# Altium PCB PCB.PcbDoc (part 2 of 2)
Units mil, origin at the board's own origin, x right, y up, seen from the top; angles counter-clockwise.
Board outline 4724.62 x 3937.2 mil, 2 copper layers (Top Layer, Bottom Layer); 163 components, 141 nets, 550 pads, 397 vias.
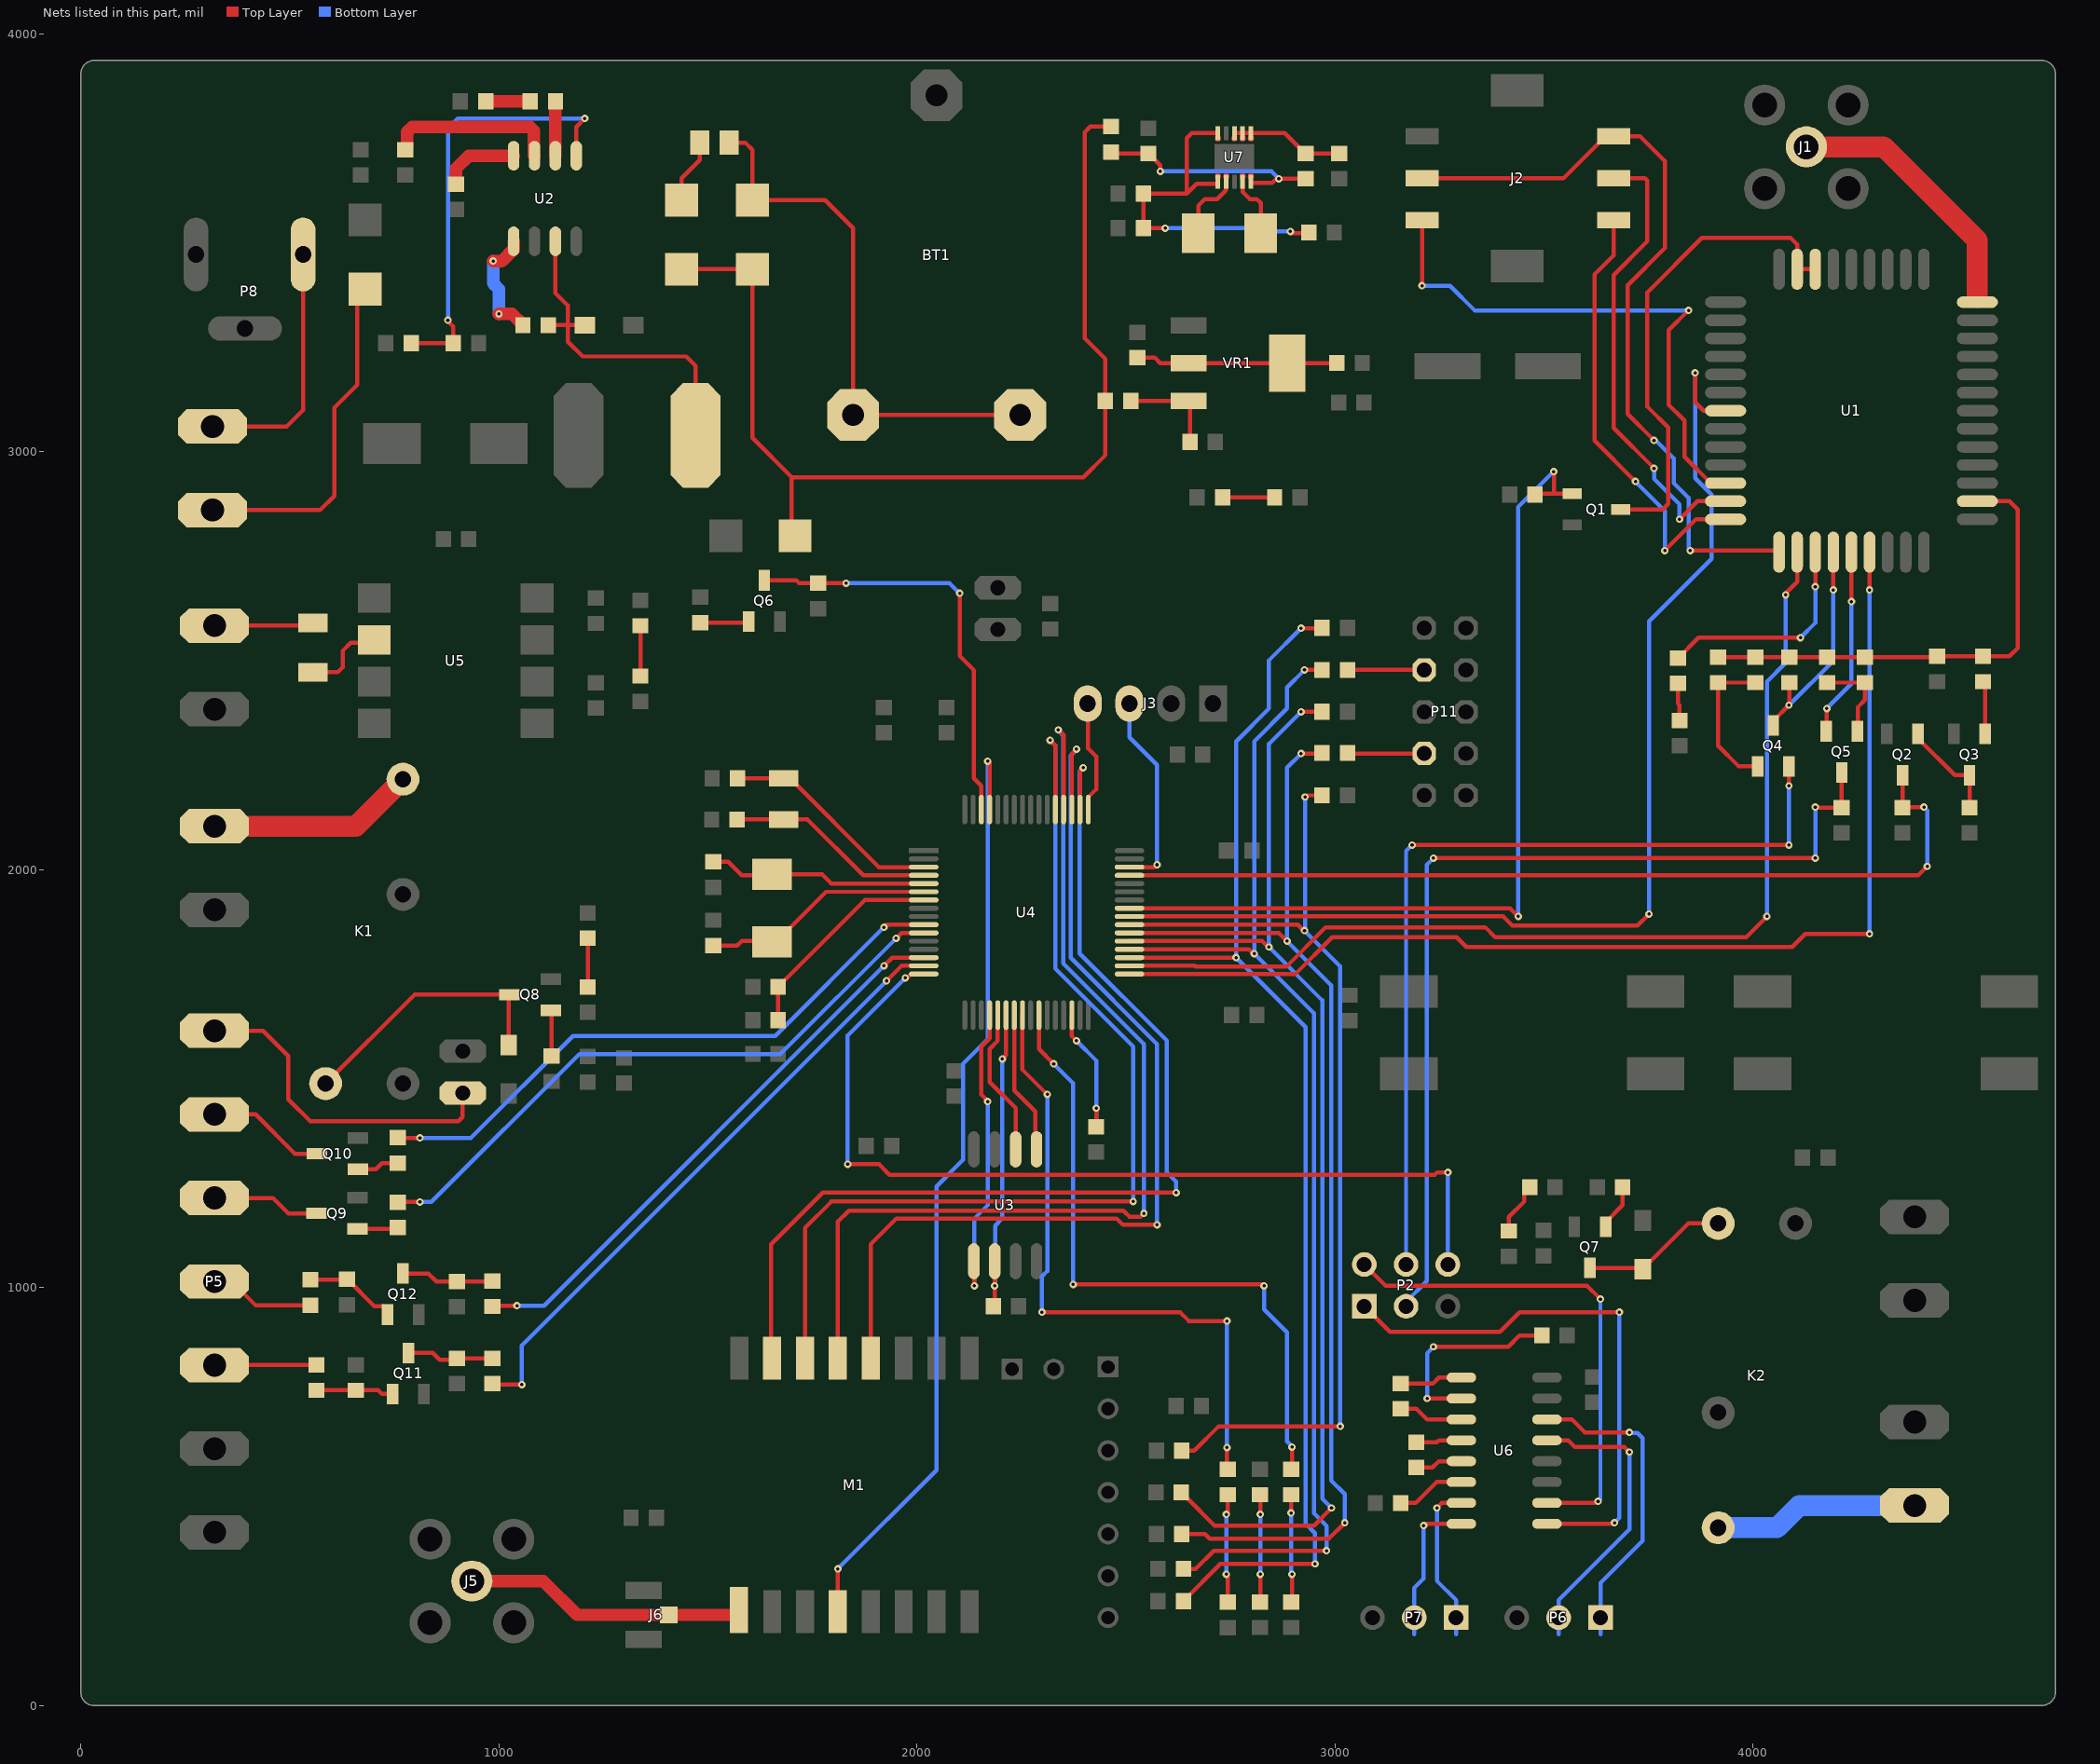
[diagram p2: the nets of this part, all layers, seen from the top]

## Via types
v1: diameter 17.72, hole 7.87, Top Layer to Bottom Layer, 397 vias

## Nets (pads, with @x,y where several pads share a name; then routed paths per layer and width w, separated by ;. In a path a pad name is that pad's centre, name@x,y a point inside that pad or via, vN(x,y) a via of type N, cw(c..) or ccw(c..) an arc to the next point about the centre after c; other vN are vias at no path point) (continued)
MCU_NB_TXD: P2.6 U4.16 | length 2220.1
  Top Layer w10: v1(1834.65,1295.28) 1909.45,1295.28 1929.13,1275.59 1929.13,1275.25 1934.41,1269.97 3238.71,1269.97 3244.33,1275.59 v1(3270.55,1275.59) ; v1(1972.44,1740.92) 1973.92,1742.4 1978.62,1742.4 1986.52,1750.3 U4.16@2016.54,1750.3
  Bottom Layer w10: v1(1834.65,1295.28) 1834.65,1603.13 v1(1972.44,1740.92) ; P2.6@3270.55,1055.12 v1(3270.55,1275.59)
NB_DTR: U1.19 U4.33 | length 2744.1
  Top Layer w10: U4.33@2508.66,1750.3 2659.41,1750.3 2659.9,1749.81 2905.02,1749.81 2993.8,1838.58 3291.34,1838.58 3314.96,1814.96 4094.41,1814.96 4125.91,1846.46 v1(4279.53,1846.46) ; v1(4279.53,2669.29) U1.19@4279.53,2759.84
  Bottom Layer w10: v1(4279.53,1846.46) v1(4279.53,2669.29)
NB_ON/OFF: U1.7 U4.40 | length 2778.8
  Top Layer w10: U4.40@2508.66,1888.09 3402.9,1888.09 3424.76,1866.24 3724.5,1866.24 v1(3751.97,1893.7) ; v1(3862.2,3188.98) 3862.2,3119.05 3882.83,3098.43 U1.7@3925.2,3098.43
  Bottom Layer w10: v1(3751.97,1893.7) 3751.97,2594.49 3901.57,2744.09 3901.57,2897.64 3862.2,2937.01 v1(3862.2,3188.98)
NB_POWER: Q1.1 R4.1 U4.41 | length 2181.3
  Top Layer w10: U4.41@2508.66,1907.78 3419.29,1907.78 v1(3438.98,1888.09) ; R4.1@3479.13,2897.64 3481.1,2899.61 3524.51,2899.61 ; v1(3523.62,2952.76) 3524.51,2951.87 3524.51,2899.61 ; Q1.1@3567.91,2899.61 3524.51,2899.61
  Bottom Layer w10: v1(3438.98,1888.09) 3438.98,2868.11 v1(3523.62,2952.76)
NB_PWR: Q2.3 R1.1 U4.45 | length 2192.1
  Top Layer w10: U4.45@2508.66,1986.52 4395.97,1986.52 v1(4417.32,2007.87) ; Q2.3@4358.27,2226.38 R1.1@4358.27,2148.43 4359.45,2149.61 v1(4409.45,2149.61)
  Bottom Layer w10: v1(4409.45,2149.61) 4417.32,2141.73 v1(4417.32,2007.87)
NB_R: P2.4 Q4.2 | length 2099.7
  Top Layer w10: v1(3185.04,2059.06) v1(4086.61,2059.06) ; v1(4086.54,2200.79) 4086.61,2200.87 Q4.2@4086.61,2247.2
  Bottom Layer w10: P2.4@3170.55,1055.12 3170.55,2044.57 v1(3185.04,2059.06) ; v1(4086.54,2200.79) 4086.61,2200.71 v1(4086.61,2059.06)
NB_Reset: U1.15 U4.34 | length 2497.5
  Top Layer w10: U4.34@2508.83,1769.81 U4.34@2508.66,1769.98 2665.18,1769.98 2667.36,1767.81 2883.83,1767.81 2978.22,1862.2 3359.94,1862.2 3383.56,1838.58 3984.41,1838.58 v1(4033.92,1888.09) ; v1(4078.74,2657.48) 4078.74,2661.42 4106.3,2688.98 U1.15@4106.3,2759.84
  Bottom Layer w10: v1(4033.92,1888.09) 4033.92,2450.2 4078.74,2495.02 v1(4078.74,2657.48)
NB_RX_DB: P7.2 U6.8 | length 361.1
  Top Layer w10: v1(3212.6,430.31) 3214.69,430.31 3218.82,434.45 U6.8@3302.87,434.45
  Bottom Layer w10: 3190.24,170.51 3190.24,281.06 3212.6,303.43 v1(3212.6,430.31)
NB_RXD: Q4.3 R11.1 U1.17 | length 526.3
  Top Layer w10: Q4.3@4049.21,2345.63 4049.21,2356.46 v1@4086.54,2393.78 ; v1@4087.99,2395.24 R11.1@4087.99,2447.8 ; v1(4192.91,2669.29) U1.17@4192.91,2759.84
  Bottom Layer w10: v1(4086.61,2393.7) 4192.91,2500 v1(4192.91,2669.29)
NB_T: P2.3 Q5.3 R12.2 | length 2282.8
  Top Layer w10: v1(3236.22,2027.56) v1(4149.61,2027.56) ; v1(4149.61,2149.61) 4150.35,2148.86 4213.03,2148.86 Q5.3@4213.03,2232.83
  Bottom Layer w10: P2.3@3170.55,955.12 3170.55,965.83 3220.47,1015.75 3220.47,2011.81 v1(3236.22,2027.56) ; v1(4149.61,2027.56) v1(4149.61,2149.61)
NB_TX_DB: P7.1 U6.7 | length 384.5
  Top Layer w10: v1(3244.33,472.44) 3256.34,484.45 U6.7@3302.87,484.45
  Bottom Layer w10: v1(3244.33,472.44) 3244.33,297.99 3290.24,252.09 3290.24,170.51
NB_TXD: Q5.2 U1.18 | length 453.7
  Top Layer w10: Q5.2@4175.63,2331.26 4176.4,2332.03 4176.4,2385.06 v1(4177.17,2385.83) ; v1(4236.22,2641.73) U1.18@4236.22,2759.84
  Bottom Layer w10: v1(4177.17,2385.83) 4236.22,2444.88 v1(4236.22,2641.73)
NetBT1_1: BT1.1 D6.1 R19.2 | length 1310.4
  Top Layer w10: R19.2@1558.66,3732.28 R19.2@1550.79,3740.16 1589.37,3740.16 1606.3,3723.23 D6.1@1606.3,3602.36 1780.31,3602.36 1847.24,3535.43 BT1.1@1847.24,3088.19 BT1.1@2247.24,3088.19
NetC2_2: C2.2 R22.2 VR1.3 | length 237.9
  Top Layer w10: R22.2@2511.81,3121.69 VR1.3@2650.2,3121.69 2653.74,3118.15 C2.2@2653.74,3023.62
NetC5_1: C5.1 R6.2 R16.2 U7.5 | length 568.1
  Top Layer w10: R6.2@2464.57,3717.72 2468.5,3713.78 C5.1@2553.94,3713.78 2554.92,3713.78 2582.68,3686.02 v1(2582.68,3671.26) ; U7.5@2799.21,3646.65 2799.21,3644.17 2799.69,3643.7 2850.39,3643.7 v1@2860.04,3653.35 ; v1@2866.14,3653.35 R16.2@2929.91,3653.35
  Bottom Layer w10: v1(2582.68,3671.26) 2848.43,3671.26 v1(2866.14,3653.54)
NetC6_2: C6.2 R25.1 VR1.2 | length 483.2
  Top Layer w10: C6.2@2527.56,3225.59 2569.33,3225.59 2582.68,3212.24 VR1.2@2650.2,3212.24 VR1.2@2886.42,3212.24 3004.76,3212.24 R25.1@3005.12,3212.6
NetC7_2: C7.2 U2.8 | length 188
  Top Layer w30: C7.2@897.64,3640.55 897.64,3678.35 927.95,3708.66 U2.8@1035.24,3708.66
NetC8_1: C8.1 D2.2 L1.1 U2.3 | length 836.1
  Top Layer w10: C8.1@1118.11,3303.15 1165.35,3303.15 ; U2.3@1135.24,3503.94 1135.24,3380.12 1165.35,3350 1165.35,3303.15 ; D2.2@1205.71,3303.15 1165.35,3303.15 ; L1.1@1470.71,3039.37 1470.71,3205.91 1448.27,3228.35 1200.79,3228.35 1165.35,3263.78 1165.35,3303.15
NetC8_2: C8.2 U2.1 | length 284.6
  Top Layer w10: U2.1@1032.97,3501.67 U2.1@1035.24,3503.94
  Top Layer w30: v1(986.22,3456.69) 1007.2,3456.69 1035.24,3484.72 U2.1@1035.24,3503.94 ; v1(1000,3330.02) 1031.6,3330.02 1057.48,3304.13 C8.2@1057.48,3303.15
  Bottom Layer w30: v1(986.22,3456.69) 986.22,3403.54 1000,3389.76 v1(1000,3330.02)
NetC9_1: C9.1 R5.1 | length 106.5
  Top Layer w30: R5.1@968.5,3838.58 C9.1@1074.96,3838.58
NetC9_2: C9.2 U2.6 | length 130.1
  Top Layer w30: U2.6@1135.24,3708.66 1135.41,3708.84 1135.41,3838.41 C9.2@1135.59,3838.58
NetC12_1: C12.1 Q4.1 R10.1 | length 378.7
  Top Layer w10: Q4.1@4003.03,2266.81 4011.81,2258.03 Q4.1@4011.81,2247.2 3966.57,2247.2 3917.32,2296.46 C12.1@3917.32,2447.8 R10.1@4006.54,2447.8
NetC14_2: C14.2 Q5.1 R14.2 | length 214.3
  Top Layer w10: R14.2@4178.24,2447.8 C14.2@4268.54,2447.8 4268.54,2406.34 4251.97,2389.76 4251.97,2332.8 Q5.1@4250.43,2331.26
NetC18_2: C18.2 U4.5 Y1.1 | length 526.7
  Top Layer w10: C18.2@1512.99,2018.8 1548.43,2018.8 1580.71,1986.52 1651.19,1986.52 Y1.1@1653.16,1988.49 1773.92,1988.49 1795.57,1966.83 U4.5@2016.54,1966.83
NetC19_1: C19.1 U4.6 Y1.2 | length 558.5
  Top Layer w10: C19.1@1512.99,1818.41 1570.08,1818.41 1580.71,1829.04 1651.19,1829.04 Y1.2@1653.16,1827.07 1663,1827.07 1783.08,1947.15 U4.6@2016.54,1947.15
NetC24_1: C24.1 U4.30 | length 326.8
  Top Layer w10: U4.30@2370.87,1651.87 2370.87,1601.58 v1(2381.89,1590.55) ; C24.1@2429.13,1384.65 v1(2429.13,1429.13)
  Bottom Layer w10: v1(2381.89,1590.55) 2429.13,1543.31 2429.13,1393.7
NetC32_1: C32.1 U6.3 | length 155.8
  Top Layer w10: C32.1@3157.48,709.57 3194.8,709.57 3195.24,709.13 3196.22,709.13 3220.91,684.45 U6.3@3302.87,684.45
NetC32_2: C32.2 U6.1 | length 151.7
  Top Layer w10: C32.2@3157.48,770.2 3194.8,770.2 3195.24,769.76 3234.33,769.76 3249.02,784.45 U6.1@3302.87,784.45
NetC33_1: C33.1 U6.2 | length 482.4
  Top Layer w10: v1(3220.91,734.45) U6.2@3302.87,734.45 ; v1(3236.22,858.27) 3415.13,858.27 3442.37,885.51 C33.1@3495.24,885.51
  Bottom Layer w10: v1(3220.91,734.45) 3220.91,842.95 v1(3236.22,858.27)
NetC34_1: C34.1 U6.4 | length 109.6
  Top Layer w10: C34.1@3195.24,629.76 3244.33,629.76 3249.02,634.45 U6.4@3302.87,634.45
NetC34_2: C34.2 U6.5 | length 114
  Top Layer w10: C34.2@3195.24,569.13 3233.7,569.13 3249.02,584.45 U6.5@3302.87,584.45
NetC36_1: C36.1 U6.6 | length 154.4
  Top Layer w10: C36.1@3157.48,484.25 3193.64,484.25 3243.84,534.45 U6.6@3291.06,534.45
NetC37_1: C37.1 U4.4 Y2.1 | length 502.2
  Top Layer w10: C37.1@1569.69,2120.08 Y2.1@1681.1,2120.08 1738.19,2120.08 1871.75,1986.52 U4.4@2016.54,1986.52
NetC38_2: C38.2 U4.3 Y2.2 | length 533.6
  Top Layer w10: C38.2@1570.87,2218.5 Y2.2@1681.1,2218.5 1696.85,2218.5 1909.15,2006.2 U4.3@2016.54,2006.2
NetC39_1: C39.1 C40.1 R13.1 U7.1 U7.10 | length 888.3
  Top Layer w10: v1(2594.49,3535.43) C40.1@2542.13,3535.43 C39.1@2542.13,3618.11 2645.67,3618.11 ; U7.1@2720.47,3646.65 2720.47,3643.62 2718.58,3641.73 2669.29,3641.73 2645.67,3618.11 ; U7.10@2720.47,3762.8 2657.87,3762.8 2645.67,3750.59 2645.67,3618.11 ; v1(2893.7,3527.56) 2895.79,3527.56 2899.53,3523.82 2937.01,3523.82 R13.1@2938.19,3525
  Bottom Layer w10: v1(2594.49,3535.43) 2842.52,3535.43 2850.39,3527.56 v1(2893.7,3527.56)
NetC41_1: C41.1 R16.1 U7.6 U7.7 U7.8 | length 271.1
  Top Layer w10: U7.8@2759.84,3762.8 U7.7@2779.53,3762.8 U7.6@2799.21,3762.8 2880.11,3762.8 2928.93,3713.98 R16.1@2929.91,3713.98 C41.1@3010.76,3713.98
NetD1_K: D1.K R29.1 | length 124.7
  Top Layer w10: R29.1@2731.4,2890.94 D1.K@2856.1,2890.94
NetD3_A: D3.A R32.2 | length 90.6
  Top Layer w10: R32.2@3821.02,2446.06 3821.02,2397.72 3824.96,2393.78 D3.A@3824.96,2357.09
NetD4_1: D4.1 D6.2 D11.2 R6.1 R22.1 | length 2483.7
  Top Layer w10: D4.1@1437.01,3437.01 D6.2@1606.3,3437.01 1606.3,3033.46 1700.79,2938.98 ; D11.2@1708.66,2799.21 1700.79,2807.09 1700.79,2938.98 ; R6.1@2464.57,3778.35 2415.16,3778.35 2401.57,3764.76 2401.57,3271.65 2451.18,3222.05 R22.1@2451.18,3121.69 2451.18,2992.13 2398.03,2938.98 1700.79,2938.98
NetD4_2: D4.2 R19.1 | length 155.9
  Top Layer w10: D4.2@1437.01,3602.36 1437.01,3654.72 1480.71,3698.43 R19.1@1480.71,3740.16
NetD5_K: D5.K R33.2 | length 120.5
  Top Layer w10: R33.2@1338.58,2463.39 D5.K@1338.58,2583.86
NetD7_K: D7.K R38.1 | length 260.5
  Top Layer w10: v1(2740.16,313.82) 2740.16,311.73 2743.98,307.91 D7.K@2743.98,246.77 ; v1(2740.16,457) 2740.16,459.09 2743.98,462.91 R38.1@2743.98,504.13
  Bottom Layer w10: v1(2740.16,313.82) v1(2740.16,457)
NetD8_K: D8.K R39.1 | length 258.1
  Top Layer w10: D8.K@2820.67,247.09 2822,248.42 v1(2822,313.82) ; R39.1@2820.67,504.13 2822,502.8 v1(2822,457)
  Bottom Layer w10: v1(2822,313.82) v1(2822,457)
NetD9_K: D9.K R40.1 | length 258.8
  Top Layer w10: D9.K@2895.55,247.09 2897.64,249.17 v1(2897.64,313.82) ; v1(2895.55,460.63) R40.1@2895.55,504.13
  Bottom Layer w10: v1(2895.55,460.63) 2895.55,315.91 v1(2897.64,313.82)
NetD10_1: D10.1 P1.1 | length 831.2
  Top Layer w10: P1.1@314.96,2860.63 572.36,2860.63 606.3,2894.57 606.3,3105.91 661.42,3161.02 661.42,3370.94 D10.1@680.24,3389.76
NetD12_1: D12.1 K2.1 Q7.3 | length 356.1
  Top Layer w10: Q7.3@3610.61,1047.24 3733.98,1047.24 D12.1@3736.93,1044.29 3736.93,1049.21 3751.61,1063.9 3756.54,1063.9 3846.18,1153.54 K2.1@3917.32,1153.54
NetD13_K: D13.K R36.2 | length 116.5
  Top Layer w10: R36.2@1212.6,1719.29 D13.K@1212.6,1835.83
NetD14_K: D14.K R34.2 | length 125.5
  Top Layer w10: R34.2@3416.63,1135.28 3416.63,1169.13 3453.15,1205.66 3453.15,1226.85 D14.K@3466.46,1240.16
NetD15_2: D15.2 K1.4 Q8.3 | length 645.4
  Top Layer w10: K1.4@585.56,1488.19 798.15,1700.79 1021.65,1700.79 1023.62,1698.82 D15.2@1023.62,1580.31
NetJ1_1: J1.1 U1.35 | length 649.5
  Top Layer w10: U1.35@4537.4,3358.27 U1.35@4537.4,3369.49
  Top Layer w50: J1.1@4128.35,3729.92 4313.39,3729.92 4537.4,3505.91 U1.35@4537.4,3369.49
NetJ5_1: J5.1 J6.1 M1.1 | length 680.8
  Top Layer w30: J5.1@935.43,297.64 1105.91,297.64 1187.01,216.54 J6.1@1406.5,216.54 1568.06,216.54 1574.72,223.19 M1.1@1574.72,228.35
NetK1_3: K1.3 P4.2 | length 497.5
  Top Layer w50: P4.2@319.69,2104.06 658.12,2104.06 K1.3@770.6,2216.54
NetK2_3: K2.3 P9.2 | length 492.3
  Bottom Layer w50: K2.3@3917.32,425.2 4058,425.2 4111.15,478.35 P9.2@4387.6,478.35
NetL2_1: L2.1 U7.4 | length 150.9
  Top Layer w10: U7.4@2779.53,3646.65 2779.53,3621.79 2796.12,3605.2 2813.11,3605.2 2822.83,3595.47 L2.1@2822.83,3523.62
NetL2_2: L2.2 U7.2 | length 168.2
  Top Layer w10: L2.2@2673.23,3523.62 2673.23,3589.07 2688.73,3604.57 2718.55,3604.57 2739.68,3625.7 2739.68,3646.18 U7.2@2740.16,3646.65
NetP1_2: P1.2 P8.2 | length 605.3
  Top Layer w10: P1.2@314.96,3060.63 492.13,3060.63 531.5,3100 P8.2@531.5,3472.44
NetP3_2: P3.2 R18.2 | length 238
  Top Layer w10: P3.2@319.69,2584.06 549.02,2584.06 R18.2@555.12,2590.16
NetP5_7: P5.7 W1.2 | length 806.3
  Top Layer w10: P5.7@319.69,1614.37 435.63,1614.37 496.06,1553.94 496.06,1450.46 548.89,1397.64 903.28,1397.64 913.39,1407.74 W1.2@913.39,1465.75
NetQ1_3: Q1.3 U1.42 U1.43 | length 1167.3
  Top Layer w10: Q1.3@3684.06,2862.2 3784.45,2862.2 3797.87,2875.63 3797.87,3058.11 3748.03,3107.95 3748.03,3381.89 3877.95,3511.81 4090.55,3511.81 4106.3,3496.06 U1.43@4106.3,3437.01 U1.42@4149.61,3437.01
NetQ2_1: Q2.1 Q3.3 R2.1 | length 248.1
  Top Layer w10: Q2.1@4395.67,2324.8 4395.67,2313.98 4483.27,2226.38 Q3.3@4518.7,2226.38 R2.1@4518.7,2148.43
NetQ3_1: Q3.1 R7.1 | length 127.2
  Top Layer w10: R7.1@4551.18,2450 4556.1,2445.08 Q3.1@4556.1,2324.8
NetQ6_1: Q6.1 R31.1 | length 117.3
  Top Layer w10: R31.1@1481.5,2591.34 1594.88,2591.34 Q6.1@1597.64,2594.09
NetQ7_1: Q7.1 R37.2 | length 111.3
  Top Layer w10: Q7.1@3648.01,1145.67 3648.01,1156.5 3688.5,1196.99 R37.2@3688.5,1240.16
NetQ8_1: Q8.1 R20.2 | length 110.3
  Top Layer w10: Q8.1@1124.02,1663.39 1125.98,1661.42 R20.2@1125.98,1553.94
NetQ9_1: Q9.1 R23.2 | length 97.8
  Top Layer w10: Q9.1@661.81,1140.21 755.12,1140.21 R23.2@758.27,1143.36
NetQ10_1: Q10.1 R24.2 | length 101
  Top Layer w10: Q10.1@663.19,1282.94 705.46,1282.94 720.47,1297.95 R24.2@757.94,1297.95
NetQ11_1: Q11.1 R43.1 R45.1 | length 186.1
  Top Layer w10: R43.1@563.68,754.06 R45.1@657.65,754.06 711.57,754.06 720.47,745.16 Q11.1@746.06,745.16
NetQ11_3: Q11.3 R26.2 R28.2 | length 209.3
  Top Layer w10: Q11.3@783.46,843.59 841.45,843.59 858.27,826.77 896.34,826.77 R26.2@900,830.44 R28.2@984.25,830.44
NetQ12_1: Q12.1 R44.1 R46.1 | length 226.2
  Top Layer w10: R44.1@548.89,1018.5 635.56,1018.5 R46.1@636.75,1019.69 637.73,1019.69 702.65,954.77 724.41,954.77 733.19,945.99 Q12.1@733.19,935.16
NetQ12_3: Q12.3 R27.2 R42.2 | length 222
  Top Layer w10: Q12.3@770.6,1033.59 831.18,1033.59 850.39,1014.37 899.68,1014.37 R27.2@900,1014.69 983.58,1014.69 R42.2@984.25,1015.36
NetR3_2: R3.2 U2.7 | length 417.5
  Top Layer w30: R3.2@775.59,3723.23 776.57,3723.23 779.88,3726.54 779.88,3764.89 792.52,3777.53 1074.96,3777.53 1084.02,3768.47 1084.02,3709.88 U2.7@1085.24,3708.66
NetR8_1: R8.1 R9.1 U2.5 | length 1056.1
  Top Layer w10: R8.1@790.16,3259.84 R9.1@890.94,3259.84 890.94,3299.88 877.95,3312.87 v1(877.95,3314.96) ; U2.5@1185.24,3708.66 1185.24,3777.53 v1(1205.71,3798)
  Bottom Layer w10: v1(877.95,3314.96) 877.95,3774.38 901.57,3798 v1(1205.71,3798)
NetR18_1: R18.1 U5.2 | length 226.2
  Top Layer w10: R18.1@572.36,2490.08 R18.1@555.12,2472.83 614.57,2472.83 625.98,2484.25 625.98,2523.62 645.67,2543.31 695.14,2543.31 U5.2@701.89,2550.06
NetR32_1: R32.1 U1.16 | length 532.6
  Top Layer w10: R32.1@3821.02,2506.69 3822.2,2507.87 3823.19,2507.87 3870.43,2555.12 v1(4114.17,2555.12) ; v1(4149.61,2677.17) U1.16@4149.61,2759.84
  Bottom Layer w10: v1(4114.17,2555.12) 4149.61,2590.55 v1(4149.61,2677.17)
NetR47_1: R47.1 R56.1 U4.35 | length 3040.6
  Top Layer w10: U4.35@2508.66,1789.67 v1(2763.78,1789.67) ; R56.1@2637.76,249.17 2637.76,250.16 2726.18,338.58 v1(2952.76,338.58) ; v1(2919.17,2577.95) 2968.9,2577.95 R47.1@2969.69,2578.74
  Bottom Layer w10: v1(2919.17,2577.95) 2842.52,2501.31 2842.52,2385.83 2763.78,2307.09 v1(2763.78,1789.67) 2930,1623.45 2930,435 2952.76,412.24 v1(2952.76,338.58)
NetR48_1: R48.1 R55.1 U4.36 | length 2935
  Top Layer w10: U4.36@2508.66,1809.35 2664.21,1809.35 2664.38,1809.53 2794.68,1809.53 2805,1799.21 v1(2807.09,1799.21) ; R55.1@2637.76,326.77 2667.24,326.77 2710.55,370.08 v1(2980.32,370.08) ; v1(2927.46,2477.95) R48.1@2969.69,2477.95
  Bottom Layer w10: v1(2927.46,2477.95) 2885.83,2436.32 2885.83,2385.83 2807.09,2307.09 v1(2807.09,1799.21) 2950,1656.3 2950,459.76 2980.32,429.44 v1(2980.32,370.08)
NetR49_1: R49.1 R54.1 U4.37 | length 2799.7
  Top Layer w10: U4.37@2508.66,1829.04 2826.35,1829.04 2840.43,1814.96 v1(2842.52,1814.96) ; R54.1@2632.68,509.88 2632.68,508.9 2645.98,495.59 2646.97,495.59 2712.24,430.31 2950,430.31 v1(2992.13,472.44) ; v1(2919.54,2377.95) R49.1@2969.69,2377.95
  Bottom Layer w10: v1(2919.54,2377.95) 2842.52,2300.94 v1(2842.52,1814.96) 2970,1687.48 2970,494.57 v1(2992.13,472.44)
NetR50_1: R50.1 R53.1 U4.38 | length 2758.7
  Top Layer w10: U4.38@2508.66,1848.72 2866.14,1848.72 v1(2885.83,1829.04) ; R53.1@2633.98,409.88 2689.49,409.88 2700.79,398.59 2985.45,398.59 v1(3023.87,437.01) ; v1(2919.54,2277.95) 2968.11,2277.95 R50.1@2969.69,2279.53
  Bottom Layer w10: v1(2919.54,2277.95) 2885.83,2244.24 v1(2885.83,1829.04) 2991.14,1723.72 2991.14,538.34 3023.87,505.61 v1(3023.87,437.01)
NetR51_1: R51.1 R52.1 U4.39 | length 2412.2
  Top Layer w10: U4.39@2508.66,1868.41 2911.3,1868.41 2925.38,1854.33 v1(2927.46,1854.33) ; R52.1@2633.98,609.88 2664.02,609.88 2722.14,668 v1(3013,668) ; v1(2928.93,2174.02) 2931.02,2174.02 2934.95,2177.95 R51.1@2969.69,2177.95
  Bottom Layer w10: v1(2928.93,2174.02) 2928.93,1855.79 v1(2927.46,1854.33) 3013,1768.8 v1(3013,668)
NRST: C22.1 R21.1 U4.7 | length 514.9
  Top Layer w10: R21.1@1668.25,1639.83 C22.1@1668.25,1719.83 1668.25,1720.82 1681.56,1734.13 1682.54,1734.13 1875.88,1927.46 U4.7@2016.54,1927.46
PC_RXD: P2.1 U6.9 | length 1327.1
  Top Layer w10: P2.1@3070.55,955.12 3131.97,893.7 3395.13,893.7 3442.37,940.94 v1(3681.1,940.94) ; U6.9@3507.6,434.45 3664.64,434.45 3667.2,437.01 v1(3669.29,437.01)
  Bottom Layer w10: v1(3669.29,437.01) 3681.1,448.82 v1(3681.1,940.94)
PC_TXD: P2.2 U6.10 | length 1209.7
  Top Layer w10: P2.2@3070.55,1055.12 3121.73,1003.94 3604.03,1003.94 v1(3635.53,972.44) ; U6.10@3507.6,484.45 3624.09,484.45 3627.83,488.19 v1(3629.92,488.19)
  Bottom Layer w10: v1(3629.92,488.19) 3635.53,493.8 v1(3635.53,972.44)
PE: P11.3 R48.2 | length 183.5
  Top Layer w10: R48.2@3030.32,2477.95 P11.3@3213.78,2477.95
POWER_DOWN: Q6.3 R30.1 U4.62 | length 1019.1
  Top Layer w10: Q6.3@1635.04,2692.52 1711.42,2692.52 1718.5,2685.43 R30.1@1763.78,2685.43 v1(1830.71,2685.43) ; v1(2102.36,2661.42) 2102.36,2511.81 2136.39,2477.79 2136.39,2218.5 2154.33,2200.56 U4.62@2154.33,2144
  Bottom Layer w10: v1(1830.71,2685.43) 2078.35,2685.43 v1(2102.36,2661.42)
READER_BEEP: R24.1 U4.10 | length 1470
  Top Layer w10: R24.1@757.94,1358.58 758.26,1358.27 v1(811.02,1358.27) ; v1(1921.26,1862.2) 1927.46,1868.41 U4.10@2016.54,1868.41
  Bottom Layer w10: v1(811.02,1358.27) 933.07,1358.27 1177.17,1602.36 1661.42,1602.36 v1(1921.26,1862.2)
READER_D0: R28.1 U4.15 | length 1503.4
  Top Layer w10: R28.1@984.25,769.81 986.34,767.72 v1(1055.12,767.72) ; v1(1927.46,1734.13) 1963.32,1769.98 U4.15@2016.54,1769.98
  Bottom Layer w10: v1(1055.12,767.72) 1055.12,861.78 v1(1927.46,1734.13)
READER_D1: R42.1 U4.14 | length 1378.1
  Top Layer w10: R42.1@984.25,954.73 986.22,956.69 v1(1043.31,956.69) ; v1(1921.26,1769.98) 1940.94,1789.67 U4.14@2016.54,1789.67
  Bottom Layer w10: v1(1043.31,956.69) 1107.97,956.69 v1(1921.26,1769.98)
READER_LED: R23.1 U4.11 | length 1525.3
  Top Layer w10: R23.1@758.27,1203.99 759,1204.72 v1(811.02,1204.72) ; v1(1950.49,1835.83) 1963.39,1848.72 U4.11@2016.54,1848.72
  Bottom Layer w10: v1(811.02,1204.72) 838.58,1204.72 1192.91,1559.06 1673.72,1559.06 v1(1950.49,1835.83)
RED_LED: R38.2 U4.24 | length 1548.3
  Top Layer w10: U4.24@2252.76,1651.87 2252.76,1521.35 v1(2311.98,1462.13) ; v1(2299.21,940.94) 2629.92,940.94 2650.87,920 v1(2742,920) ; v1(2742,617) 2742,566.74 R38.2@2743.98,564.76
  Bottom Layer w10: v1(2299.21,940.94) 2299.21,1026.6 2311.98,1039.37 v1(2311.98,1462.13) ; v1(2742,617) v1(2742,920)
RESET: M1.4 U4.61 | length 2301.7
  Top Layer w10: M1.4@1810.94,224.41 1811.02,224.5 v1(1811.02,326.77) ; v1(2169.29,2259.84) 2174.02,2255.12 U4.61@2174.02,2144
  Bottom Layer w10: v1(1811.02,326.77) 2047.24,562.99 2047.24,1242.13 2110.24,1305.12 2110.24,1535.43 2169.29,1594.49 v1(2169.29,2259.84)
RS232_RXD: P6.2 U6.13 | length 714.6
  Top Layer w10: U6.13@3507.6,634.45 3558.46,634.45 3574.8,618.11 3692.91,618.11 v1(3704.72,606.3)
  Bottom Layer w10: 3535.55,170.51 3535.55,252.09 3704.72,421.26 v1(3704.72,606.3)
RS232_TXD: P6.1 U6.14 | length 758.1
  Top Layer w10: U6.14@3507.6,684.45 3567.52,684.45 3598.43,653.54 v1(3704.72,653.54)
  Bottom Layer w10: 3635.55,170.51 3635.55,293.03 3736.22,393.7 3736.22,639.81 3723.97,652.07 3706.2,652.07 v1(3704.72,653.54)
sim_clk: J2.1 U1.13 | length 1056
  Top Layer w10: J2.1@3667.01,3554.88 3667.01,3470.16 3621.63,3424.78 3621.63,3026.76 v1(3719.25,2929.13) ; v1(3789.49,2763.78) 3864.29,2838.58 U1.13@3935.04,2838.58
  Bottom Layer w10: v1(3719.25,2929.13) 3789.49,2858.9 v1(3789.49,2763.78)
sim_io: J2.6 U1.11 | length 1329.6
  Top Layer w10: v1(3208.66,3397.64) 3208.66,3554.54 J2.6@3209.01,3554.88 ; v1(3846.46,3338.58) 3799.21,3291.34 3799.21,3112.36 3836.73,3074.84 3836.73,2988.07 3899.61,2925.2 U1.11@3935.04,2925.2
  Bottom Layer w10: v1(3208.66,3397.64) 3275.59,3397.64 3334.65,3338.58 v1(3846.46,3338.58)
sim_reset: J2.2 U1.12 | length 1120.9
  Top Layer w10: J2.2@3667.01,3654.88 3742.17,3654.88 3748.03,3649.02 3748.03,3504.04 3667.01,3423.01 3667.01,3057.4 v1(3763.78,2960.63) ; v1(3824.96,2838.58) 3868.27,2881.89 U1.12@3935.04,2881.89
  Bottom Layer w10: v1(3763.78,2960.63) 3763.78,2935.84 3824.96,2874.66 v1(3824.96,2838.58)
sim_vcc: J2.3 J2.5 U1.14 | length 1890
  Top Layer w10: J2.5@3209.01,3654.88 3547.32,3654.88 3647.32,3754.88 J2.3@3667.01,3754.88 3730.94,3754.88 3789.49,3696.34 3789.49,3487.32 3700.79,3398.62 3700.79,3090.55 v1(3763.78,3027.56) ; v1(3850.39,2763.78) 4059.06,2763.78 U1.14@4062.99,2759.84
  Bottom Layer w10: v1@3767.72,3027.56 3811.02,2984.25 3811.02,2925.2 3846.46,2889.76 3846.46,2767.72 v1(3850.39,2763.78)
SMOKE_IN: P11.7 R50.2 | length 184.1
  Top Layer w10: R50.2@3030.32,2279.53 3031.89,2277.95 P11.7@3213.78,2277.95
SPI1_MISO: R15.2 U3.2 U4.22 | length 770.2
  Top Layer w10: R15.2@2183.07,955.12 2186.39,958.43 v1(2186.39,1003.94) U3.2@2186.39,1062.99 U3.2@2187.68,1064.29 ; v1(2204.72,1547.24) 2213.39,1555.91 U4.22@2213.39,1651.87
  Bottom Layer w10: v1(2186.39,1003.94) 2187.68,1005.23 2187.68,1148.31 2204.72,1165.35 v1(2204.72,1547.24)
SPI1_MOSI: U3.5 U4.23 | length 343.2
  Top Layer w10: U4.23@2233.07,1651.87 2233.07,1471.65 2283.46,1421.26 2283.46,1333.63 U3.5@2286.39,1330.71
SPI1_NSS: U3.1 U4.20 | length 736
  Top Layer w10: U3.1@2137.09,1063.7 U3.1@2136.39,1062.99 2137.09,1062.29 2137.09,1004.64 v1(2137.8,1003.94) ; v1(2169.29,1444.88) 2169.29,1446.97 2154.33,1461.93 2154.33,1576.64 2174.02,1596.32 U4.20@2174.02,1651.87
  Bottom Layer w10: v1(2137.8,1003.94) 2137.8,1165.35 2169.29,1196.85 v1(2169.29,1444.88)
SPI1_SCK: U3.6 U4.21 | length 355.2
  Top Layer w10: U4.21@2193.7,1651.87 2193.7,1590.55 2174.02,1570.87 2174.02,1491.93 2236.39,1429.56 U3.6@2236.39,1330.71
SPI3_MISO: M1.13 U4.52 | length 2517.6
  Top Layer w10: M1.13@1810.94,830.71 1811.02,830.8 1811.02,1157.73 1837.16,1183.86 2494.49,1183.86 2509.22,1169.13 2535.1,1169.13 v1(2543.31,1177.34) ; v1(2338.58,2334.65) 2351.18,2322.05 U4.52@2351.18,2144
  Bottom Layer w10: v1(2338.58,2334.65) 2338.58,2332.56 2350.39,2320.75 2350.39,1775.59 2543.31,1582.68 v1(2543.31,1177.34)
SPI3_MOSI: M1.14 U4.53 | length 2480.9
  Top Layer w10: M1.14@1732.2,830.71 1732.2,1142.28 1795.57,1205.66 v1(2517.72,1205.66) ; v1(2318.9,2309.84) 2331.5,2297.24 U4.53@2331.5,2144
  Bottom Layer w10: v1(2318.9,2309.84) 2331.28,2297.46 2331.28,1763.21 2517.72,1576.77 v1(2517.72,1205.66)
SPI3_NSS: M1.15 U4.50 | length 2515.2
  Top Layer w10: M1.15@1653.46,830.71 1651.19,832.97 1651.19,1103.81 1774.89,1227.51 2619.81,1227.51 v1(2620.47,1226.85) ; U4.50@2390.55,2144 2390.55,2238.24 2396.41,2244.09 v1(2398.03,2244.09)
  Bottom Layer w10: v1(2398.03,2244.09) 2398.03,2242.01 2389.76,2233.74 2389.76,1799.21 2598.43,1590.55 2598.43,1275.59 2620.47,1253.54 v1(2620.47,1226.85)
SPI3_SCK: M1.12 U4.51 | length 2371.1
  Top Layer w10: M1.12@1889.68,830.71 1889.68,1104.08 1950.95,1165.35 2477.6,1165.35 2493.04,1149.92 v1(2574.8,1149.92) ; U4.51@2370.87,2144 2370.87,2277.47 v1(2381.89,2288.5)
  Bottom Layer w10: v1@2379.8,2288.5 v1(2381.89,2288.5) 2381.89,2286.41 2368.39,2272.91 2368.39,1789.09 2574.8,1582.68 v1(2574.8,1149.92)
SWCLK: J3.4 U4.49 | length 269.9
  Top Layer w10: J3.4@2408.66,2397.64 2409.89,2396.41 2409.89,2290.11 2429.13,2270.87 2429.13,2192.43 2410.24,2173.53 U4.49@2410.24,2144
SWDIO: J3.3 U4.46 | length 481.7
  Top Layer w10: U4.46@2508.66,2006.2 2569.2,2006.2 v1(2574.8,2011.81)
  Bottom Layer w10: J3.3@2508.66,2397.64 2508.66,2316.9 2574.8,2250.76 v1(2574.8,2011.81)
VDD_EXT: C12.2 C13.2 C14.1 R7.2 R10.2 R11.2 R14.1 U1.24 | length 1162.1
  Top Layer w10: C12.2@3917.32,2508.43 R10.2@4006.54,2508.43 R11.2@4087.99,2508.43 R14.1@4178.24,2508.43 C14.1@4268.54,2508.43 4438.74,2508.43 C13.2@4440.94,2510.63 R7.2@4551.18,2510.63 4614.17,2510.63 4633.86,2530.32 4633.86,2862.2 4614.17,2881.89 U1.24@4537.4,2881.89
WG_BEEP: P5.6 Q10.3 | length 284
  Top Layer w10: P5.6@319.69,1414.37 417.78,1414.37 511.81,1320.34 Q10.3@564.76,1320.34
WG_D0: P5.3 R43.2 | length 244.1
  Top Layer w10: P5.3@319.69,814.37 563.37,814.37 R43.2@563.68,814.69
WG_D1: P5.4 R44.2 | length 252.6
  Top Layer w10: P5.4@319.69,1014.37 360.94,1014.37 417.43,957.87 R44.2@548.89,957.87
WG_LED: P5.5 Q9.3 | length 258.9
  Top Layer w10: P5.5@319.69,1214.37 459.31,1214.37 496.06,1177.61 Q9.3@563.39,1177.61
YELLOW_LED: R40.2 U4.26 | length 1604.5
  Top Layer w10: U4.26@2292.13,1651.87 2292.13,1570.83 v1(2327.52,1535.43) ; v1@2374.02,1007.87 2826.77,1007.87 v1(2830.71,1003.94) ; R40.2@2895.55,564.76 2897.64,566.85 v1(2897.64,618.11)
  Bottom Layer w10: v1(2327.52,1535.43) 2374.02,1488.94 v1(2374.02,1007.4) ; v1(2830.71,1003.94) 2830.71,947.72 2885.83,892.6 2885.83,632.01 2897.64,620.2 v1(2897.64,618.11)
pads on no net: J4.8 J4.9 P8.3 U1.2 U1.3 U1.4 U1.5 U1.6 U1.8 U1.9 U1.20 U1.21 U1.22 U1.23 U1.25 U1.26 U1.28 U1.29 U1.30 U1.31 U1.32 U1.33 U1.38 U1.39 U1.44 U4.9 U4.29 U5.1 U5.4 U5.7 U7.TH

## Polygon pours and split planes (outlines as drawn)
GND on Top Layer "GND_L01_P075" (solid, remove dead copper, pour order 75): -0.03,3937.01 -0.03,0 4724.38,0 4724.38,3936.87 4724.24,3937.01
3V3 on Top Layer "3V3_L01_P074" (solid, pour order 74): 2200.79,1366.14 1975.93,1366.14 1963.32,1378.74 1963.32,1485.16 1978.62,1500.46 1978.62,1503.94 2100.52,1503.94 2106.35,1509.76 2106.35,1531.45 2102.36,1535.43 1697.11,1535.43 1682.54,1550 1656.76,1550 1651.19,1544.43 1651.19,1445.29 1635.04,1429.13 1465.52,1429.13 1464.57,1428.18 1464.57,1606.3 1480.32,1622.05 1618.11,1622.05 1625.98,1629.92 1625.98,1653.54 1622.05,1657.48 1492.13,1657.48 1464.57,1685.04 1464.57,2461.49 1448.27,2477.79 1408.19,2477.79 1405.51,2475.11 1405.51,1947.15 1375.69,1917.32 1200.79,1917.32 1192.91,1909.45 1192.91,1886.91 1200.79,1879.04 1353.24,1879.04 1370.08,1862.2 1370.08,1357.74 1668.82,1357.74 1696.85,1385.77 1696.85,1476.77 1713.39,1493.31 1904.96,1493.31 1921.26,1477.01 1921.26,1314.96 1929.13,1307.09 2110.24,1307.09 2122.05,1295.28 2188.98,1295.28 2200.79,1307.09
3V3 on Top Layer "3V3_L01_P068" (solid, pour order 68): 3535.55,901.57 3535.55,799.21 3580.76,799.21 3584.7,803.15 3574.8,813.05 3574.8,894.29 3567.52,901.57
3V3 on Top Layer "3V3_L01_P067" (solid, pour order 67): 1370.08,1507.87 1370.08,957.78 1333.95,921.65 938.5,921.65 924.99,935.16 924.99,964.77 917.32,972.44 881.89,972.44 877.95,968.5 877.95,893.7 893.7,877.95 1335.71,877.95 1370.08,843.59 1370.08,745.67 1346.46,722.05 931.5,722.05 921.26,732.28 921.26,784.53 913.39,792.4 890.83,792.4 877.95,779.53 877.95,669.29 889.76,657.48 1342.52,657.48 1358.27,641.73 1358.27,448.82 1380.27,426.82 1663.73,426.82 1708.66,381.89 1708.66,186.14 1721.57,173.23 1748.03,173.23 1755.91,181.1 1755.91,387.3 1778.49,409.88 2263.78,409.88 2263.78,504.13 1503.74,504.13 1464.57,543.31 1464.57,1500.46 1457.15,1507.87
3V3 on Top Layer "3V3_L01_P065" (solid, pour order 65): 3476.38,775.59 3584.7,775.59 3590.53,769.76 3705.36,769.76 3738.9,736.22 3738.9,416.07 3692.91,370.08 3094.45,370.08 2934.25,209.88 2525.12,209.88 2480.59,165.35 2378.7,165.35 2327.52,216.54 2327.52,658.23 2353.74,684.45 2488.8,684.45 2497.27,692.91 2629.65,692.91 2645.87,709.13 2645.87,858.07 2602.36,901.57 2291.34,901.57 2263.78,929.13 2263.78,1012.6 2252.76,1023.62 2252.76,1095.02 2243.7,1104.08 2230.06,1104.08 2220.47,1094.49 2220.47,881.5 2243.7,858.27 2547.24,858.27 2574.8,830.71 2574.8,755.91 2562.99,744.09 2292.91,744.09 2248.03,699.22 2248.03,184.02 2294.26,137.8 2913.07,137.8 3058.74,283.46 3724.41,283.46 3779.53,338.58 3779.53,768.73 3741.17,807.09 3484.25,807.09 3476.38,799.21
3V3 on Top Layer "3V3_L01_P064" (solid, pour order 64): 1051.18,2610.24 1138.98,2610.24 1153.54,2624.8 1379.13,2624.8 1405.51,2598.43 1405.51,2475.11 1429.13,2451.49 1978.62,2451.49 1978.62,2636.67 1970.8,2644.49 1738.19,2644.49 1736.22,2642.52 1736.22,2519.68 1728.35,2511.81 1440.94,2511.81 1429.13,2523.62 1429.13,2628.94 1388.78,2669.29 1171.06,2669.29 1147.83,2692.52 1054.33,2692.52 1047.24,2685.43 1047.24,2614.17
3V3 on Top Layer "3V3_L01_P063" (solid, pour order 63): 2694.14,2799.21 1994.82,2799.21 1973.92,2778.31 1973.92,2355.81 1963.39,2345.28 1912.2,2345.28 1901.57,2334.65 1901.57,2317.42 1909.15,2309.84 2084.48,2309.84 2091.54,2316.9 2091.54,2346.85 2090.55,2347.83 2030.91,2347.83 2016.54,2362.2 2016.54,2717.32 2043.31,2744.09 2276.97,2744.09 2295.28,2725.79 2295.28,2624.8 2301.97,2618.11 2338.58,2618.11 2351.18,2630.71 2351.18,2741.93 2362.2,2752.95 2683.32,2752.95 2694.14,2763.78
3V3 on Top Layer "3V3_L01_P061" (solid, pour order 61): 2771.65,1638.98 2771.65,1694.09 2779.53,1701.97 2951.67,1701.97 3019.68,1769.98 3261.51,1769.98 3267.72,1763.78 4511.81,1763.78 4543.31,1795.28 4543.31,2043.8 4537.4,2049.7 4506.4,2049.7 4500,2043.31 4500,1826.77 4472.44,1799.21 3294.12,1799.21 3278.37,1814.96 3000,1814.96 2919.17,1734.13 2751.6,1734.13 2737.94,1720.47 2737.94,1638.98 2747,1629.92 2763.78,1629.92 2763.78,1631.1
3V3 on Top Layer "3V3_L01_P059" (solid, pour order 59): 2919.78,2824.8 2919.78,2804.23 2867.52,2751.97 2784.44,2751.97 2741.13,2708.66 2741.13,2196.66 2763.78,2174.02 2763.78,2022.44 2753.15,2011.81 2722.74,2011.81 2708.66,2025.89 2708.66,2103.94 2664.17,2148.43 2664.17,2345.28 2669.29,2350.39 2669.29,2783.46 2719,2833.17 2908.37,2833.17 2916.73,2824.8
3V3 on Top Layer "3V3_L01_P058" (solid, pour order 58): 3578.74,2814.96 3578.74,2287.4 3700.79,2165.35 4090.55,2165.35 4145.67,2110.24 4552.17,2110.24 4556.1,2106.3 4556.1,2056.1 4543.31,2043.31 4411.42,2043.31 4395.67,2059.06 4120,2059.06 4060.94,2118.11 3600.39,2118.11 3509.84,2208.66 3509.84,2814.96
3V3 on Top Layer "3V3_L01_P057" (solid, pour order 57): 3586.61,2811.02
3V3 on Top Layer "3V3_L01_P056" (solid, pour order 56): 2980.32,3500 3047.24,3433.07 3047.24,2948.82 3023.62,2925.2 2902.44,2925.2 2893.7,2916.46 2893.7,2833.17 2919.78,2807.09 3590.13,2807.09 3598.01,2814.96 3598.01,2837.03 3586.61,2848.43 3448.84,2848.43 3438.98,2858.29 3438.98,2990.16 3358.27,3070.87 3358.27,3244.67 3286.01,3316.93 3155.51,3316.93 3114.17,3358.27 3114.17,3510.75 3057.99,3566.93 2990.16,3566.93 2980.32,3557.09
3V3 on Top Layer "3V3_L01_P055" (solid, pour order 55): 2972.44,3543.31
NetC6_2 on Top Layer "NETC6_2_L01_P054" (solid, pour order 54): 2590.55,3247.64 2608.66,3229.53 2793.5,3229.53 2835.63,3271.65 3003.94,3271.65 3023.62,3251.97 3023.62,3192.91 3019.68,3188.98 2960.63,3188.98 2940.94,3169.29 2719.09,3169.29 2692.91,3195.47 2491.93,3195.47 2481.5,3205.91 2481.5,3244.88 2484.25,3247.64
NetQ1_3 on Top Layer "NETQ1_3_L01_P053" (solid, pour order 53): 3769.13,2875.63 3784.45,2890.94 3784.45,3048.28 3730.94,3101.78 3730.94,3398.25 3872.07,3539.37 4145.67,3539.37 4165.35,3519.68 4165.35,3389.76 4157.48,3381.89 4106.3,3381.89 4090.55,3397.64 4090.55,3492.23 4078.74,3504.04 3883.68,3504.04 3870.43,3490.79 3870.43,3424.78 3775.59,3329.94 3775.59,3102.36 3821.02,3056.93 3821.02,2870.12 3797.36,2846.46 3660.63,2846.46 3656.69,2850.39 3656.69,2870.91 3661.42,2875.63
NetC2_2 on Top Layer "NETC2_2_L01_P052" (solid, pour order 52): 2496.06,3152.37 2496.06,3023.62 2527.56,2992.13 2651.57,2992.13 2669.29,3009.84 2669.29,3072.44 2692.91,3096.06 2692.91,3145.67 2681.1,3157.48 2501.17,3157.48
NetD4_2 on Top Layer "NETD4_2_L01_P051" (solid, pour order 51): 1503.94,3577.52 1470.71,3544.29 1396.65,3544.29 1374.02,3566.93 1374.02,3776.46 1384.96,3787.4 1496.93,3787.4 1503.94,3780.39
NetBT1_1 on Top Layer "NETBT1_1_L01_P050" (solid, pour order 50): 2331.5,3034.25 2307.09,3009.84 1789.37,3009.84 1759.84,3039.37 1759.84,3518.31 1730.31,3547.83 1547.83,3547.83 1531.3,3564.36 1531.3,3773.39 1545.31,3787.4 1862.2,3787.4 1877.95,3771.65 1877.95,3229.53 1901.57,3205.91 2310.63,3205.91 2331.5,3185.04
NetD4_1 on Top Layer "NETD4_1_L01_P049" (solid, pour order 49): 1763.78,2751.97 1763.78,2897.15 1783.08,2916.46 2412.52,2916.46 2468.5,2972.44 2468.5,3295.28 2425.2,3338.58 2425.2,3744.09 2440.94,3759.84 2484.25,3759.84 2496.06,3771.65 2496.06,3821.69 2481.5,3836.26 2391.38,3836.26 2362.2,3807.09 2362.2,3015.75 2326.77,2980.32 1759.84,2980.32 1700.79,3039.37 1700.79,3455.91 1672.44,3484.25 1373.29,3484.25 1338.58,3449.55 1338.58,3387.32 1362.2,3363.7 1575.67,3363.7 1589.37,3350 1589.37,2954.74 1653.16,2890.94 1653.16,2761.81 1670.88,2744.09 1755.91,2744.09
NetC8_1 on Top Layer "NETC8_1_L01_P047" (solid, pour order 47): 1118.11,3357.75 1097.01,3336.65 1097.01,3263.78 1152.13,3208.66 1362.2,3208.66 1374.02,3196.85 1374.02,2916.46 1395.91,2894.57 1531.97,2894.57 1558.66,2921.26 1558.66,3197.24 1503.94,3251.97 1242.66,3251.97 1230.85,3263.78 1230.85,3354.98 1205.71,3380.12 1171.06,3380.12 1153.54,3397.64 1153.54,3539.37 1145.67,3547.24 1124.02,3547.24 1118.11,3541.34
5V on Top Layer "5V_L01_P046" (solid, pour order 46): 927.95,3283.46 927.95,2841.34 909.45,2822.83 909.45,1869.59 837.1,1797.24 130.8,1797.24 94.49,1760.93 94.49,531.5 137.8,488.19 529.87,488.19 591.24,426.82 591.24,105.61 614.17,82.68 4102.36,82.68 4145.67,125.98 4145.67,1204.72 4090.55,1259.84 3777.61,1259.84 3704.72,1186.96 3704.72,1135.28 3714.02,1125.98 3763.78,1125.98 3779.53,1141.73 3779.53,1156.5 3849.88,1226.85 4033.92,1226.85 4055.12,1205.66 4055.12,145.67 4027.56,118.11 704.9,118.11 657.65,165.35 657.65,469.02 591.24,535.43 192.91,535.43 161.42,566.93 161.42,1661.42 234.13,1734.13 950.36,1734.13 986.22,1769.98 1081.51,1769.98 1091.65,1759.84 1091.65,1727.24 1102.36,1716.54 1145.67,1716.54 1157.48,1728.35 1157.48,1814.96 1110.24,1862.2 1018.5,1862.2 984.25,1896.46 984.25,2736.22 1015.75,2767.72 1421.26,2767.72 1437.01,2751.97 1437.01,2647.87 1448.27,2636.61 1518.5,2636.61 1543.31,2661.42 1543.31,2705.91 1589.37,2751.97 1589.37,2842.13 1570.87,2860.63 1277.17,2860.63 1263.78,2874.02 1263.78,3153.54 1236.22,3181.1 1031.5,3181.1 992.13,3220.47 992.13,3283.46 980.32,3295.28 939.76,3295.28
NetD10_1 on Top Layer "NETD10_1_L01_P045" (solid, pour order 45): 625.98,3171.26 602.36,3147.64 602.36,2960.63 562.99,2921.26 185.04,2921.26 169.29,2905.51 169.29,2812.99 183.07,2799.21 584.25,2799.21 645.67,2860.63 645.67,3103.23 680.24,3137.8 680.24,3311.87 716.54,3348.17 716.54,3437.01 708.66,3444.88 633.86,3444.88 625.98,3437.01
+12 on Top Layer "+12_L01_P044" (solid, pour order 44): 1066.93,3535.43 1066.93,3433.27 1057.48,3423.82 843.9,3423.82 822.83,3444.88 822.83,3650.79 795.28,3678.35 512.99,3678.35 480.32,3645.67 55.12,3645.67 19.68,3610.24 19.68,385.39 35,370.08 472.44,370.08 511.81,330.71 511.81,47.24 527.85,31.2 4200.49,31.2 4259.84,90.55 4259.84,562.99 4287.4,590.55 4448.82,590.55 4476.38,618.11 4476.38,720.47 4444.88,751.97 4235.24,751.97 4179.92,696.65 4179.92,97.24 4145.67,62.99 591.24,62.99 563.68,90.55 563.68,393.01 496.06,460.63 106.3,460.63 66.93,500 66.93,1826.77 90.55,1850.39 393.7,1850.39 413.39,1870.08 413.39,1933.07 389.76,1956.69 94.49,1956.69 66.93,1984.25 66.93,2303.15 90.55,2326.77 394.5,2326.77 417.78,2350.06 417.78,2408.99 385.83,2440.94 98.82,2440.94 66.93,2472.83 66.93,3562.99 110.24,3606.3 602.36,3606.3 618.11,3590.55 618.11,3484.25 716.54,3484.25 744.09,3456.69 744.09,3402.32 764.53,3381.89 1078.74,3381.89 1102.36,3405.51 1102.36,3536.54 1091.65,3547.24 1078.74,3547.24
NetP1_2 on Top Layer "NETP1_2_L01_P043" (solid, pour order 43): 433.07,3429.13 511.81,3350.39 511.81,3157.48 492.13,3137.8 207.09,3137.8 169.29,3100 169.29,3003.94 196.85,2976.38 509.37,2976.38 572.36,3039.37 572.36,3363.7 586.61,3377.95 586.61,3565.67 572.36,3579.92 446.06,3579.92 433.07,3566.93
NetQ1_3 on Top Layer "bot gnd" (solid, remove dead copper, pour order 42): 2005.98,2042.64
GND on Top Layer "bot gnd" (solid, remove dead copper, pour order 36): 0,792.4
GND on Top Layer "bot gnd" (solid, remove dead copper, pour order 34): 0,792.4
no net on Top Layer "bot gnd" (solid, remove dead copper, pour order 0): 3065,3812.4
GND on Bottom Layer "GND_L02_P070" (solid, remove dead copper, pour order 70): 0,3937.01 -0.18,3936.83 -0.18,0 4724.44,0 4724.44,3937.01

## Keep-outs
Keep-Out Layer:
  circle w5: c4527.56,3779.53 r78.74
  circle w5: c314.96,3779.53 r78.74
  circle w5: c4527.56,157.48 r78.74
  circle w5: c314.96,157.48 r78.74
  lines w5: -0.03,3902.4 cw(c32.3,3904.7) 35,3937.01 ; 0,3902.4 -0.21,32.41 ccw(c31.2,31.2) 35,0 4692.4,0 ccw(c4692.2,32.2) 4724.41,32.4 4724.41,3902.4 ccw(c4691.1,3903.7) 4687.81,3936.87 ; 34.61,3937.01 4687.81,3937.01

## Other copper
Top Layer:
  pour cut-out: 3980.31,3374.02 3980.31,2846.73 4020.34,2806.7 4446.14,2806.7 4477.36,2837.93 4477.36,3358.13 4453.61,3381.89 3988.47,3381.89 3981.21,3374.63
  pour cut-out: 998.27,3663.27 998.27,3562.56 1004.01,3556.81 1199.77,3556.81 1207.31,3564.36 1207.31,3660.4 1204.44,3663.27

## Silkscreen, mask and mechanical layers (free items; w line width, h text height)
Top Overlay:
  circle w5: c4527.56,157.48 r118.11
  circle w5: c4527.56,3779.53 r118.11
  circle w5: c314.96,3779.53 r118.11
  circle w5: c314.96,157.48 r118.11
  text "电源开关" at 15.75,3118.11 h100 r270
  text "电源" at 2803.15,2787.4 h50
  text "紧急开关" at 27.56,2637.8 h100 r270
  text "BOOT0" at 1923.24,2542.42 h40
  text "3V3" at 2721.14,2477.72 h32 r90
  text "GND" at 2616.14,2472.72 h32 r90
  text "SWCLK" at 2421.26,2467.72 h32 r90
  text "SWDIO" at 2516.14,2467.72 h32 r90
  text "网络" at 3779.53,2169.29 h50
  text "门磁" at 39.69,2074.29 h100 r270
  text "设置键" at 3315.36,1862.2 h100
  text "开门键" at 4181.1,1862.2 h100
  text "26/34" at 27.56,1730.31 h50 r270
  text "BEEP" at 31.5,1472.44 h50 r270
  text "LED" at 35.43,1236.22 h50 r270
  text "NBR" at 3081.5,1133.86 h50
  text "NT" at 3240.16,1133.86 h50
  text "PT" at 2981.97,1131.38 h50
  text "D1" at 39.37,1047.24 h50 r270
  text "天面消防门禁联动系统 2021-02-17" at 1043.31,1007.87 h100
  text "开门键" at 4692.2,917.32 h100 r90
  text "D0" at 43.31,843.59 h50 r270
  text "NR" at 3255.91,834.65 h50
  text "NBT" at 3106.3,830.71 h50
  text "PR" at 2991.97,825.43 h50
  text "GND" at 47.24,653.54 h50 r270
  text "警报" at 4688.98,468.5 h100 r90
  text "12V" at 51.18,437.01 h50 r270
  text "G" at 3060.55,279.53 h50
  text "R" at 3170.55,279.53 h50
  text "T" at 3279.53,279.53 h50
  text "G" at 3401.57,279.53 h50
  text "R" at 3520.55,279.53 h50
  text "T" at 3620.55,279.53 h50
  text "工作状态指示" at 2622.05,70.87 h50
  text "NB" at 3145.67,70.87 h100
  text "MCU" at 3464.57,70.87 h100

## Dimensions
4724.41,3936.87 to 4724.41,0 on Top Overlay
4527.56,3779.53 to 4165.35,4082.68 on Top Overlay
0,3902.4 to 4724.41,3902.4 on Top Overlay
4611.08,3863.04 to 4611.08,241 on Top Overlay
4611.08,3863.04 to 398.48,3863.04 on Top Overlay

## Text inside footprints (layer, text, board x,y; h text height)
BT1: Top Overlay "NC-3V6" at 2347.24,3528.19 h50 r90
J4: Top Overlay "G" at 2427.52,794.88 h40 r90; Top Overlay "V" at 2427.52,694.88 h40 r90; Top Overlay "SA" at 2427.52,574.88 h40 r90; Top Overlay "RX" at 2427.52,474.88 h40 r90; Top Overlay "TX" at 2427.52,379.88 h40 r90; Top Overlay "AUX" at 2427.52,274.88 h40 r90; Top Overlay "SB" at 2427.52,169.88 h40 r90
P1: Top Overlay "1" at 399.96,2775.63 h40 r90; Top Overlay "2" at 399.96,2960.63 h40 r90
P2: Top Overlay "1" at 2990.55,935.12 h40; Top Overlay "2" at 2970.55,1035.12 h40; Top Overlay "5" at 3330.55,935.12 h40; Top Overlay "6" at 3330.55,1035.12 h40
P3: Top Overlay "1" at 404.69,2299.06 h40 r90; Top Overlay "2" at 404.69,2484.06 h40 r90
P4: Top Overlay "1" at 404.69,1819.06 h40 r90; Top Overlay "2" at 404.69,2004.06 h40 r90
P5: Top Overlay "7" at 404.69,1514.37 h40 r90; Top Overlay "6" at 404.69,1314.37 h40 r90; Top Overlay "5" at 404.69,1114.37 h40 r90; Top Overlay "4" at 404.69,914.37 h40 r90; Top Overlay "3" at 404.69,714.37 h40 r90; Top Overlay "2" at 404.69,514.37 h40 r90; Top Overlay "1" at 404.69,329.37 h40 r90
P9: Top Overlay "2" at 4302.6,578.35 h50 r270; Top Overlay "1" at 4302.6,763.35 h50 r270
P10: Top Overlay "2" at 4302.6,1069.13 h50 r270; Top Overlay "1" at 4302.6,1254.13 h50 r270
P11: Top Overlay "2" at 3288.78,2677.95 h50 r270; Top Overlay "1" at 3188.78,2677.95 h50 r270; Top Overlay "10" at 3103.78,2417.95 h50 r270